# KiCad board panel-main.kicad_pcb (continued)
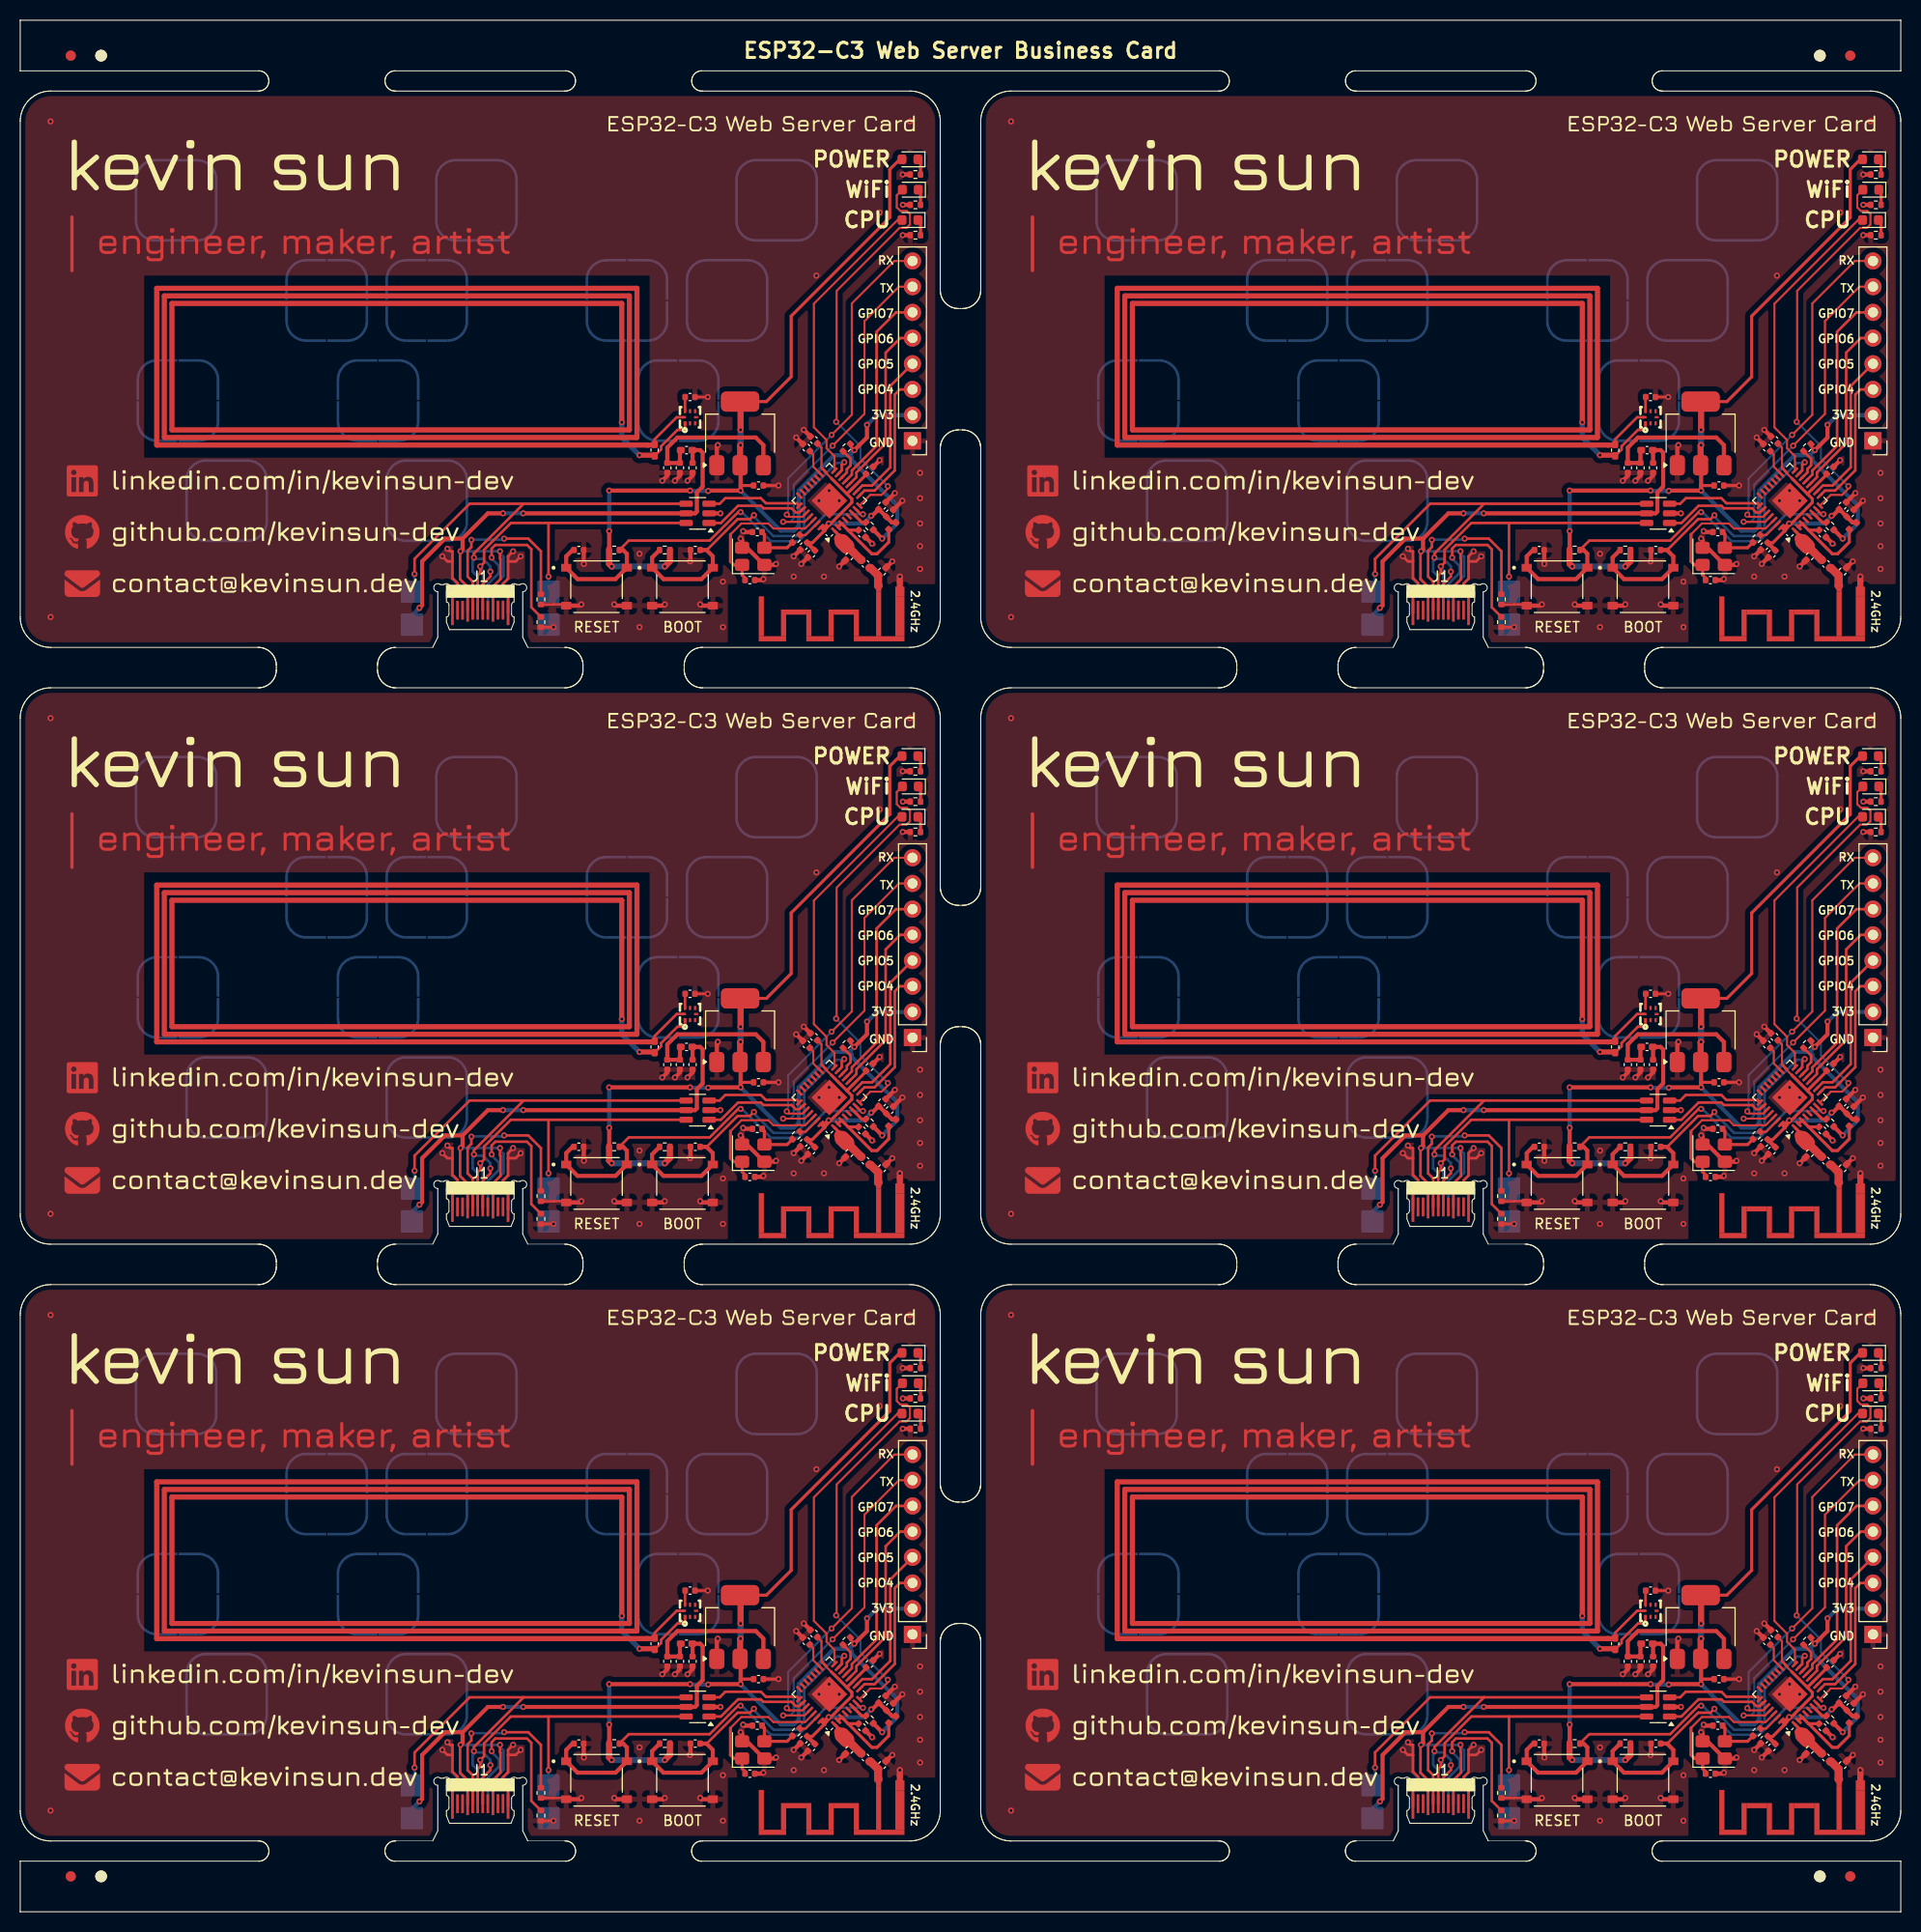
[diagram p0: board, top side]
## Nets (continued)
Board_5-unconnected-(U1-SPID-Pad23): U1#4.23
Board_5-unconnected-(U1-SPIHD-Pad19): U1#4.19
Board_5-unconnected-(U1-SPIQ-Pad24): U1#4.24
Board_5-unconnected-(U1-SPIWP-Pad20): U1#4.20
Board_5-unconnected-(U1-XTAL_32K_N-Pad5): U1#4.5
Board_5-unconnected-(U1-XTAL_32K_P-Pad4): U1#4.4
Board_5-unconnected-(U2-FD-Pad4): U2#3.4
Board_5-unconnected-(U2-SCL-Pad3): U2#3.3
Board_5-unconnected-(U2-SDA-Pad5): U2#3.5
Board_5-unconnected-(U2-VCC-Pad6): U2#3.6

Pads without a net: J1 A1 A2 A3 A4 A5 A6 A7 A8 A9 A10 A11 A12 B1 B2 B3 B4 B5 B6 B7 B8 B9 B10 B11 B12; J1#2 A1 A2 A3 A4 A5 A6 A7 A8 A9 A10 A11 A12 B1 B2 B3 B4 B5 B6 B7 B8 B9 B10 B11 B12; J1#3 A1 A2 A3 A4 A5 A6 A7 A8 A9 A10 A11 A12 B1 B2 B3 B4 B5 B6 B7 B8 B9 B10 B11 B12; J1#4 A1 A2 A3 A4 A5 A6 A7 A8 A9 A10 A11 A12 B1 B2 B3 B4 B5 B6 B7 B8 B9 B10 B11 B12; J1#5 A1 A2 A3 A4 A5 A6 A7 A8 A9 A10 A11 A12 B1 B2 B3 B4 B5 B6 B7 B8 B9 B10 B11 B12; J1#6 A1 A2 A3 A4 A5 A6 A7 A8 A9 A10 A11 A12 B1 B2 B3 B4 B5 B6 B7 B8 B9 B10 B11 B12

## Via types
v1: diameter 0.6, hole 0.3, Top to Bottom, 564 vias

## Routing (per net, layer and track width the routed paths; a pad name or vN(x,y) marks a point on that pad's centre or on a via; arc(x,y) is an arc through that point)
Board_0-/VBUS: length 74.9
  Top w0.25: v1(43.55,134.5) 43.5,134.45 43.5,131.75 44.25,131 44.25,128.58 ; 46.75,128.58 46.75,131 47.5,131.75 47.5,133.75 47.45,133.8 v1(47.45,134.5)
  Top w0.4: C13#3.1 66.5,144.47 L3.1 ; 43.75,135.75 42,135.75 39.75,133.5 39.75,129.17 v1(39.48,128.9) ; 43.75,135.75 43.75,134.7 v1(43.55,134.5) ; 43.75,135.75 46.25,138.25 v1(47.75,138.25) ; L3.1 67.25,144.5 67.5,144.25 67.5,140.9 66.93,140.33 66.93,138.43 66.75,138.25 U3.5 v1(49.75,138.25) ; L3.1 66.47,144.54
  Bottom w0.25: 46.75,128.58 46.75,131 47.8,132.05 47.8,133.95 47.45,134.3 v1(47.45,134.5) v1(43.55,134.5) 43.55,134.3 43.5,134.25 43.5,131.7 44.25,130.95 44.25,128.58
  Bottom w0.4: v1(39.48,128.9) 38.75,128.17 38.75,127.25 ; v1(47.75,138.25) v1(49.75,138.25)
Board_0-/VDD_SPI: length 2.7
  Top w0.2: U1.18 78.44,142.87 78.44,144.06 C4#4.1
Board_1-/VBUS: length 74.9
  Top w0.25: v1(142.45,134.5) 142.45,133.8 142.5,133.75 142.5,131.75 141.75,131 141.75,128.58 ; v1(138.55,134.5) 138.5,134.45 138.5,131.75 139.25,131 139.25,128.58
  Top w0.4: C13#2.1 161.5,144.47 L3#2.1 ; L3#2.1 161.47,144.54 ; L3#2.1 162.25,144.5 162.5,144.25 162.5,140.9 161.93,140.33 161.93,138.43 161.75,138.25 U3#4.5 v1(144.75,138.25) ; v1(142.75,138.25) 141.25,138.25 138.75,135.75 ; v1(134.48,128.9) 134.75,129.17 134.75,133.5 137,135.75 138.75,135.75 ; v1(138.55,134.5) 138.75,134.7 138.75,135.75
  Bottom w0.25: 139.25,128.58 139.25,130.95 138.5,131.7 138.5,134.25 138.55,134.3 v1(138.55,134.5) v1(142.45,134.5) 142.45,134.3 142.8,133.95 142.8,132.05 141.75,131 141.75,128.58
  Bottom w0.4: v1(142.75,138.25) v1(144.75,138.25) ; v1(134.48,128.9) 133.75,128.17 133.75,127.25
Board_1-/VDD_SPI: length 2.7
  Top w0.2: C4#3.1 173.44,144.06 173.44,142.87 U1#2.18
Board_2-/VBUS: length 74.9
  Top w0.25: 44.25,69.58 44.25,72 43.5,72.75 43.5,75.45 v1(43.55,75.5) ; v1(47.45,75.5) 47.45,74.8 47.5,74.75 47.5,72.75 46.75,72 46.75,69.58
  Top w0.4: 43.75,76.75 43.75,75.7 v1(43.55,75.5) ; 43.75,76.75 42,76.75 39.75,74.5 39.75,70.17 v1(39.48,69.9) ; 43.75,76.75 46.25,79.25 v1(47.75,79.25) ; v1(49.75,79.25) U3#3.5 66.75,79.25 66.93,79.43 66.93,81.33 67.5,81.9 67.5,85.25 67.25,85.5 L3#5.1 ; L3#5.1 66.47,85.54 ; L3#5.1 66.5,85.47 C13#5.1
  Bottom w0.25: 44.25,69.58 44.25,71.95 43.5,72.7 43.5,75.25 43.55,75.3 v1(43.55,75.5) v1(47.45,75.5) 47.45,75.3 47.8,74.95 47.8,73.05 46.75,72 46.75,69.58
  Bottom w0.4: v1(39.48,69.9) 38.75,69.17 38.75,68.25 ; v1(47.75,79.25) v1(49.75,79.25)
Board_2-/VDD_SPI: length 2.7
  Top w0.2: U1#3.18 78.44,83.87 78.44,85.06 C4#6.1
Board_3-/VBUS: length 74.9
  Top w0.25: 139.25,69.58 139.25,72 138.5,72.75 138.5,75.45 v1(138.55,75.5) ; v1(142.45,75.5) 142.45,74.8 142.5,74.75 142.5,72.75 141.75,72 141.75,69.58
  Top w0.4: L3#6.1 161.47,85.54 ; L3#6.1 162.25,85.5 162.5,85.25 162.5,81.9 161.93,81.33 161.93,79.43 161.75,79.25 U3#5.5 v1(144.75,79.25) ; L3#6.1 161.5,85.47 C13#6.1 ; v1(142.75,79.25) 141.25,79.25 138.75,76.75 ; 138.75,76.75 137,76.75 134.75,74.5 134.75,70.17 v1(134.48,69.9) ; 138.75,76.75 138.75,75.7 v1(138.55,75.5)
  Bottom w0.25: 141.75,69.58 141.75,72 142.8,73.05 142.8,74.95 142.45,75.3 v1(142.45,75.5) v1(138.55,75.5) 138.55,75.3 138.5,75.25 138.5,72.7 139.25,71.95 139.25,69.58
  Bottom w0.4: v1(134.48,69.9) 133.75,69.17 133.75,68.25 ; v1(142.75,79.25) v1(144.75,79.25)
Board_3-/VDD_SPI: length 2.7
  Top w0.2: U1#5.18 173.44,83.87 173.44,85.06 C4#2.1
Board_4-/VBUS: length 74.9
  Top w0.25: 46.75,10.58 46.75,13 47.5,13.75 47.5,15.75 47.45,15.8 v1(47.45,16.5) ; 44.25,10.58 44.25,13 43.5,13.75 43.5,16.45 v1(43.55,16.5)
  Top w0.4: v1(49.75,20.25) U3#6.5 66.75,20.25 66.93,20.43 66.93,22.33 67.5,22.9 67.5,26.25 67.25,26.5 L3#3.1 ; v1(47.75,20.25) 46.25,20.25 43.75,17.75 ; 43.75,17.75 43.75,16.7 v1(43.55,16.5) ; 43.75,17.75 42,17.75 39.75,15.5 39.75,11.17 v1(39.48,10.9) ; L3#3.1 66.47,26.54 ; L3#3.1 66.5,26.47 C13#4.1
  Bottom w0.25: 44.25,10.58 44.25,12.95 43.5,13.7 43.5,16.25 43.55,16.3 v1(43.55,16.5) v1(47.45,16.5) 47.45,16.3 47.8,15.95 47.8,14.05 46.75,13 46.75,10.58
  Bottom w0.4: 38.75,9.25 38.75,10.17 v1(39.48,10.9) ; v1(47.75,20.25) v1(49.75,20.25)
Board_4-/VDD_SPI: length 2.7
  Top w0.2: U1#6.18 78.44,24.87 78.44,26.06 C4.1
Board_5-/VBUS: length 74.9
  Top w0.25: 141.75,10.58 141.75,13 142.5,13.75 142.5,15.75 142.45,15.8 v1(142.45,16.5) ; 139.25,10.58 139.25,13 138.5,13.75 138.5,16.45 v1(138.55,16.5)
  Top w0.4: v1(142.75,20.25) 141.25,20.25 138.75,17.75 ; L3#4.1 161.5,26.47 C13.1 ; L3#4.1 161.47,26.54 ; L3#4.1 162.25,26.5 162.5,26.25 162.5,22.9 161.93,22.33 161.93,20.43 161.75,20.25 U3#2.5 v1(144.75,20.25) ; 138.75,17.75 137,17.75 134.75,15.5 134.75,11.17 v1(134.48,10.9) ; 138.75,17.75 138.75,16.7 v1(138.55,16.5)
  Bottom w0.25: 141.75,10.58 141.75,13 142.8,14.05 142.8,15.95 142.45,16.3 v1(142.45,16.5) v1(138.55,16.5) 138.55,16.3 138.5,16.25 138.5,13.7 139.25,12.95 139.25,10.58
  Bottom w0.4: v1(134.48,10.9) 133.75,10.17 133.75,9.25 ; v1(142.75,20.25) v1(144.75,20.25)
Board_5-/VDD_SPI: length 2.7
  Top w0.2: C4#5.1 173.44,26.06 173.44,24.87 U1#4.18
Board_0-+3.3V: length 26.4
  Top w0.2: C6#3.1 79.25,144.75 79.25,142.76 U1.17 79.54,142.4 80.22,141.72
  Top w0.3: 81.77,140.17 80.22,141.72 ; 81.77,140.17 81.77,140.19 U1.11 83.66,142.08 C5#6.1 ; 81.77,140.17 82.25,139.69 82.25,139.32 79.54,136.61 U1.32 ; U1.32 78.34,135.34 C7#4.1 ; U1.32 U1.31
  Top w0.4: v1(84.16,138) 84.25,138 C3#4.1 C2#4.1 86.23,137.34 L1#5.1 ; C8#6.1 C7#4.1 ; U1.32 79.54,136.82 v1(79.96,137.24)
  Bottom w0.4: v1(79.96,137.24) 83.42,137.24 84.05,137.87 84.05,137.9 v1(84.16,138)
Board_0-+3V3: length 109.2
  Top w0.25: v1(82.5,144.5) 82.11,144.89 R6#4.2
  Top w0.3: U4.2 73.8,149.3 76.25,151.75 76.25,157.75 86,167.5 86,172.25 87,173.25 D1#3.2 ; C16.1 71.25,141
  Top w0.4: v1(83.75,147) 83.75,145.75 v1(82.5,144.5) ; v1(66.25,140.5) v1(58.25,140.5) ; v1(68.05,140.46) 68.09,140.5 v1(71.25,140.5) 71.25,142.95 U4.2 ; R3#3.1 58.25,134.64 v1(58.25,136.5) ; R7#4.2 v1(85.25,135.75)
  Top w0.6: R4#2.1 64.26,133.51 v1(63.75,133) ; v1(71.25,146.5) 71.25,149.25 U4.2 ; v1(71.25,145) 71.2,144.95 U4.2 ; R3#3.1 58.24,133.26 v1(58.5,133)
  Bottom w0.25: 82.12,144.13 82.12,143.88
  Bottom w0.4: v1(85.25,135.75) 86.75,137.25 86.75,139 82.25,143.5 82.25,143.75 82,144 81.79,144 81.79,144 81.21,144 81.21,144 80.5,144 77,140.5 77,137 76.53,136.53 75.22,136.53 v1(71.25,140.5) ; v1(58.25,140.5) v1(58.25,136.5) ; v1(66.25,140.5) 66.29,140.46 v1(68.05,140.46) ; v1(83.75,147) 83.77,147 84.73,147.96 J2#5.2 ; v1(82.5,144.5) 82.12,144.13
  Bottom w0.6: v1(58.5,133) v1(63.75,133) ; v1(71.25,145) v1(71.25,146.5)
Board_0-/BOOTSEL: length 34.6
  Top w0.25: v1(81.5,143.3) 81.25,143.06 81.25,142.5 U1.15 ; v1(72.57,138.07) 72.18,137.68 70.95,137.68 67.9,134.63 C18#2.1
  Top w0.4: R4#2.2 62.5,133.89 SW2#2.1 63.62,131.75 67.38,131.75 SW2#2.1 68.5,134 67.88,134.63 C18#2.1
  Bottom w0.25: v1(72.57,138.07) 72.57,137.94 74.5,136 76.74,136 77.53,136.79 77.53,140.03 80.73,143.24 81.43,143.24 v1(81.5,143.3)
Board_0-/CHIP_EN: length 40.2
  Top w0.25: v1(83.35,138.16) 83.14,138.16 U1.7 ; v1(71.25,138.37) 71.01,138.37 68.19,135.56 60.19,135.56 R3#3.2
  Top w0.4: R3#3.2 59.62,134.63 60,134.25 SW1#6.1 58.88,131.75 55.12,131.75 SW1#6.1 54,134 54.62,134.63 C17#3.1
  Bottom w0.25: v1(71.25,138.37) 71.38,138.37 74.25,135.5 77,135.5 79.66,138.16 v1(83.35,138.16)
Board_0-/GP2: length 1.7
  Top w0.3: R7#4.1 83.24,137.36 U1.6
Board_0-/GP8: length 3.3
  Top w0.25: R6#4.1 82.13,143.65 82.13,142.99 81.76,142.62 81.76,142.3 U1.14 81.27,141.77
Board_0-/LED_A: length 39.8
  Top w0.2: v1(80.7,147.3) 80.75,147.35 80.75,160.25 86.97,166.48 87.65,166.48 88,166.82 88,167.84 87.69,168.15 87.05,168.15 86.7,168.5 86.7,169.7 D2#4.2 ; U1.8 83.01,139.01 84.07,140.08 85.19,140.08 85.82,140.7 v1(85.82,140.94)
  Bottom w0.2: v1(80.7,147.3) 83.1,144.9 83.1,143.65 v1(85.82,140.94)
Board_0-/LED_B: length 29.5
  Top w0.2: U1.16 80.53,143.91 79.75,144.69 79.75,145.5 78.5,146.75 78.5,158.98 86.78,167.25 D3.2
Board_0-/LNA_IN: length 4
  Top w0.3: 81,135.75 81,136.06 U1.1
  Top w0.8: 81.8,135 C12#3.1 83.15,133.66 L2#2.1
  Top w1: 81.3,135.45 81,135.75
  Top w1.5: 81.3,135.45 81.75,135
Board_0-/MTCK: length 17.8
  Top w0.25: U1.12 82.71,141.83 82.71,142.3 85.6,145.19 85.6,154.14 87.04,155.58 J2#5.5
Board_0-/MTDI: length 15.6
  Top w0.25: U1.10 83.29,141 84.25,141 86.05,142.8 86.05,150.84 J2#5.4
Board_0-/MTDO: length 20.4
  Top w0.25: J2#5.6 86.62,158.12 84.7,156.2 84.7,144.93 82.26,142.48 82.26,142.09 U1.13
Board_0-/MTMS: length 14
  Top w0.25: U1.9 83.5,140.5 84.5,140.5 86.5,142.5 86.5,150 87,150.5 J2#5.3
Board_0-/U0RXD: length 33.7
  Top w0.2: J2#5.8 86.45,163.2 82.25,159 82.25,148 v1(80.25,146) ; U1.27 77.38,137.91 76.03,137.91 v1(75.82,138.13)
  Bottom w0.2: v1(80.25,146) 75.94,141.69 75.94,138 v1(75.82,138.13)
Board_0-/U0TXD: length 32.6
  Top w0.2: v1(75.46,137.41) 77.58,137.41 U1.28 ; v1(80.35,144.94) 83.5,148.09 83.5,157.25 86.91,160.66 J2#5.7
  Bottom w0.2: v1(80.35,144.94) 76.5,141.09 76.5,137.75 76.16,137.41 v1(75.46,137.41)
Board_0-/USB_DN: length 9.5
  Top w0.25: U1.25 76.82,139.25 73.75,139.25 73.25,139.75 69.74,139.75 69.19,139.2 U3.3
Board_0-/USB_DP: length 10.4
  Top w0.25: U1.26 77.38,138.69 77.03,138.34 76.71,138.34 76.29,138.75 73.5,138.75 73.25,139 71,139 69.3,137.3 U3.1
Board_0-/XTAL_N: length 14.8
  Top w0.2: 70.25,136.17 71.33,137.25 74,137.25 74.5,136.75 76.87,136.75 76.9,136.78 77.25,136.78 77.28,136.75 77.63,136.75 U1.29
  Top w0.3: 70.25,136.17 70.25,133.5 70.6,133.15 Y1#3.1 71.4,132.15 71.69,131.86 C9#2.1
Board_0-/XTAL_P: length 2.2
  Top w0.2: U1.30 77.7,136.11 R5#2.1
Board_0-GND: length 74.4
  Top w0.25: C20#4.2 v1(68,149.75) ; 42.75,133.5 42.75,134.5 42.5,134.5 v1(42.25,134.75) ; 42.75,133.5 42.75,131.86 43.25,131.36 43.25,130.5 42.75,130 42.75,128.4 ; 42.75,133.5 42.25,133.5 v1(41.75,134) ; 48.25,133.5 49,133.5 v1(49.5,134) ; 48.25,133.5 48.25,131.81 47.75,131.31 47.75,130.5 48.25,130 48.25,128.4 ; 48.25,133.5 48.25,134 v1(48.75,134.5) ; R1#5.1 52.74,129.24 52.75,129.25 53.88,129.25 SW1#6.2 ; R2.2 52.24,126.99 52.25,127 v1(52.75,127)
  Top w0.3: C16.2 v1(75,141)
  Top w0.4: v1(69,145) 68.9,144.9 U4.1 ; v1(73.5,131.75) 73.4,131.65 C9#2.2 ; C1#6.2 v1(84.25,135.25) ; C4#4.2 v1(76.75,145.75) ; SW1#6.2 55.38,129.13 v1(55.5,129.25) ; C8#6.2 v1(77.25,133.25) ; v1(66.25,133.5) 66.29,133.54 C18#2.2 ; R9.2 v1(87.3,168.75) ; C15#2.2 64,141.98 v1(63.5,141.48) ; C11#6.2 v1(86.25,133.5) ; C3#4.2 v1(86.5,140.25) ; C5#6.2 v1(85,143.5) ; C10#3.2 71.6,136.4 v1(71.5,136.5) ; C2#4.2 v1(87.25,139.5) ; C7#4.2 v1(76.5,134) ; SW2#2.2 67.38,129.13 v1(67.25,129.25) ; C17#3.2 55.73,133.27 v1(55.75,133.25) ; v1(64.75,141.48) 65.25,141.98 C14#2.2 ; v1(58.75,129.25) 58.88,129.13 SW1#6.2 ; v1(74.75,133.25) 74.65,133.15 Y1#3.2 73.57,133.15 71.87,134.85 Y1#3.4 71.4,135.6 v1(71.25,135.75) ; v1(63.75,129.25) 63.62,129.13 SW2#2.2 ; R8#4.2 v1(87.29,171.75) ; C6#3.2 v1(77.5,146.5) ; C12#3.2 v1(81,133) ; R10#2.2 v1(87.29,165.75) ; C13#3.2 66.5,141.98 v1(66,141.48) ; U3.2 v1(69.25,138.25)
  Top w0.6: AE1#4.2 v1(87,132)
  Bottom w0.25: v1(41.75,134) 42.25,133.5 42.75,133.5 ; v1(49.5,134) 49,133.5 48.25,133.5 ; 48.25,133.5 48.25,131.75 47.75,131.25 47.75,130.5 48.25,130 48.25,128.4 ; 48.25,133.5 48.25,134 v1(48.75,134.5) ; 42.75,133.5 42.75,134.5 42.5,134.5 v1(42.25,134.75) ; 42.75,133.5 42.75,131.75 43.5,131 43.5,130.75 42.75,130 42.75,128.4 42.75,128.4
  vias: v1(3,177) v1(3,128) v1(61.25,134.25) v1(61.25,127) v1(69.5,131.5) v1(69.5,127) v1(76.5,132) v1(78.75,161.75) v1(79,139.5) v1(79.5,132) v1(80,140.5) v1(81,139.5) v1(85,168) v1(88,177) v1(89,142.25) v1(89,139.75) v1(89,137.25) v1(89,135) v1(89,132.75)
Board_0-Net-(AE1-FEED): length 2.2
  Top w0.8: L2#2.2 84.1,132.85 C11#6.1 84.85,131.1 84.9,131.1
Board_0-Net-(C1-Pad1): length 9.2
  Top w0.3: 81.89,136.59 U1.3 U1.2 ; 81.89,136.59 84.22,134.25 84.75,134.25 85.91,135.41 L1#5.2 ; 81.89,136.59 C1#6.1
Board_0-Net-(C10-Pad1): length 4.7
  Top w0.3: R5#2.2 75.85,134.85 Y1#3.3 73.6,136.18 C10#3.1
Board_0-Net-(D1-K): length 1.6
  Top w0.3: D1#3.1 89.05,172.99 R8#4.1
Board_0-Net-(D2-K): length 1.6
  Top w0.3: R9.1 89.05,170.03 D2#4.1
Board_0-Net-(D3-K): length 1.6
  Top w0.3: R10#2.1 89.05,166.99 D3.1
Board_0-Net-(J1-CC1): length 19
  Top w0.25: R1#5.2 51.5,134.5 50.25,135.75 v1(47.86,135.75) ; v1(44.62,135.63) 44.62,134.92 44.28,134.58 44.28,134.48 44.25,134.46 44.25,132 44.75,131.5 44.75,128.68
  Bottom w0.25: v1(47.86,135.75) 47.76,135.65 44.64,135.65 v1(44.62,135.63)
Board_0-Net-(J1-CC2): length 18.2
  Top w0.25: R2.1 50.55,128.96 50.55,134.7 50.12,135.13 46.99,135.13 46.62,134.76 46.62,133.88 v1(46.63,133.88)
  Bottom w0.25: 46.25,128.68 46.25,131.25 47.35,132.35 47.35,133.07 46.63,133.78 v1(46.63,133.88)
Board_0-Net-(J1-D+-PadA6): length 38.5
  Top w0.25: 52.25,137.3 U3.6 ; 52.25,137.3 48.53,137.3 45.88,134.65 45.88,133.38 v1(45.5,133) 45.5,132.38 45.25,132.13 45.25,128.68 ; 52.25,137.3 v1(52.25,132)
  Bottom w0.25: v1(45.5,133) 45.5,132.88 45.75,132.63 45.75,128.68 ; v1(52.25,132) 52.25,130.5
Board_0-Net-(J1-D--PadA7): length 51.9
  Top w0.25: v1(39,132.25) 39,133.75 44.45,139.2 49.79,139.2 ; 49.79,139.2 U3.4 ; 49.79,139.2 44.88,134.29 v1(44.88,133.88) ; v1(46.5,132.49) 46.5,132 45.75,131.25 45.75,128.68
  Bottom w0.25: v1(46.5,132.49) 46.5,133.01 46.13,133.38 46.13,133.38 45.76,133.75 45,133.75 v1(44.88,133.88) 44.88,133.63 44.75,133.5 44.75,132.5 45.25,132 45.25,128.68 ; 38.75,130.5 39,130.75 v1(39,132.25)
Board_0-Net-(U2-LA): length 371.4
  Top w0.25: C19#5.1 63.39,144.57 63.39,144.88 65.01,146.5 65.75,146.5 U2.1
  Top w0.5: v1(61.25,144) 62.75,144 ; 62.74,145 62.04,145 62.04,145 13.5,145 13.5,160.5 61,160.5 61,145.75 14.25,145.75 14.25,159.75 60.25,159.75 60.25,146.5 15,146.5 15,159 59.5,159 v1(59.5,147.25)
  Bottom w0.5: v1(59.5,147.25) 59.5,145.75 v1(61.25,144)
Board_0-Net-(U2-LB): length 4.3
  Top w0.25: C19#5.2 62.75,145.58 64.92,147.75 U2.8
Board_0-Net-(U2-VOUT): length 1.4
  Top w0.25: U2.7 65.75,149.73 C20#4.1
Board_0-Net-(U4-VI): length 16.7
  Top w0.4: 73.75,143.25 U4.3 73.5,145 72.75,145.75 65,145.75 64,144.75 C15#2.1 C14#2.1 65.25,144.42 L3.2 ; 73.5,142.21 73.54,142.25
Board_0-unconnected-(U1-SPIHD-Pad19): length 0.1
  Top w0.2: U1.19 78.73,141.77
Board_1-+3.3V: length 26.4
  Top w0.2: 175.22,141.72 174.54,142.4 U1#2.17 174.25,142.76 174.25,144.75 C6#5.1
  Top w0.3: C7#3.1 173.34,135.34 U1#2.32 ; 176.77,140.17 177.25,139.69 177.25,139.32 174.54,136.61 U1#2.32 ; 176.77,140.17 175.22,141.72 ; 176.77,140.17 176.77,140.19 U1#2.11 178.66,142.08 C5#4.1 ; U1#2.32 U1#2.31
  Top w0.4: L1#4.1 181.23,137.34 C2#2.1 C3.1 179.25,138 v1(179.16,138) ; U1#2.32 174.54,136.82 v1(174.96,137.24) ; C8#2.1 C7#3.1
  Bottom w0.4: v1(179.16,138) 179.05,137.9 179.05,137.87 178.42,137.24 v1(174.96,137.24)
Board_1-+3V3: length 109.2
  Top w0.25: v1(177.5,144.5) 177.11,144.89 R6#5.2
  Top w0.3: D1#4.2 182,173.25 181,172.25 181,167.5 171.25,157.75 171.25,151.75 168.8,149.3 U4#3.2 ; C16#3.1 166.25,141
  Top w0.4: U4#3.2 166.25,142.95 v1(166.25,140.5) 163.09,140.5 v1(163.05,140.46) ; v1(161.25,140.5) v1(153.25,140.5) ; R3#6.1 153.25,134.64 v1(153.25,136.5) ; R7#3.2 v1(180.25,135.75) ; v1(177.5,144.5) 178.75,145.75 v1(178.75,147)
  Top w0.6: v1(166.25,146.5) 166.25,149.25 U4#3.2 ; v1(158.75,133) 159.26,133.51 R4.1 ; v1(166.25,145) 166.2,144.95 U4#3.2 ; R3#6.1 153.24,133.26 v1(153.5,133)
  Bottom w0.25: 177.12,144.13 177.12,143.88
  Bottom w0.4: v1(180.25,135.75) 181.75,137.25 181.75,139 177.25,143.5 177.25,143.75 177,144 176.79,144 176.79,144 176.21,144 176.21,144 175.5,144 172,140.5 172,137 171.53,136.53 170.22,136.53 v1(166.25,140.5) ; v1(177.5,144.5) 177.12,144.13 ; v1(178.75,147) 178.77,147 179.73,147.96 J2#4.2 ; v1(163.05,140.46) 161.29,140.46 v1(161.25,140.5) ; v1(153.25,140.5) v1(153.25,136.5)
  Bottom w0.6: v1(153.5,133) v1(158.75,133) ; v1(166.25,145) v1(166.25,146.5)
